# Altium PCB PCB1.PcbDoc
Units mil, origin at the board's own origin, x right, y up, seen from the top; angles counter-clockwise.
Board outline 3145 x 3895 mil, 2 copper layers (Top Layer, Bottom Layer); 81 components, 70 nets, 363 pads, 26 vias.
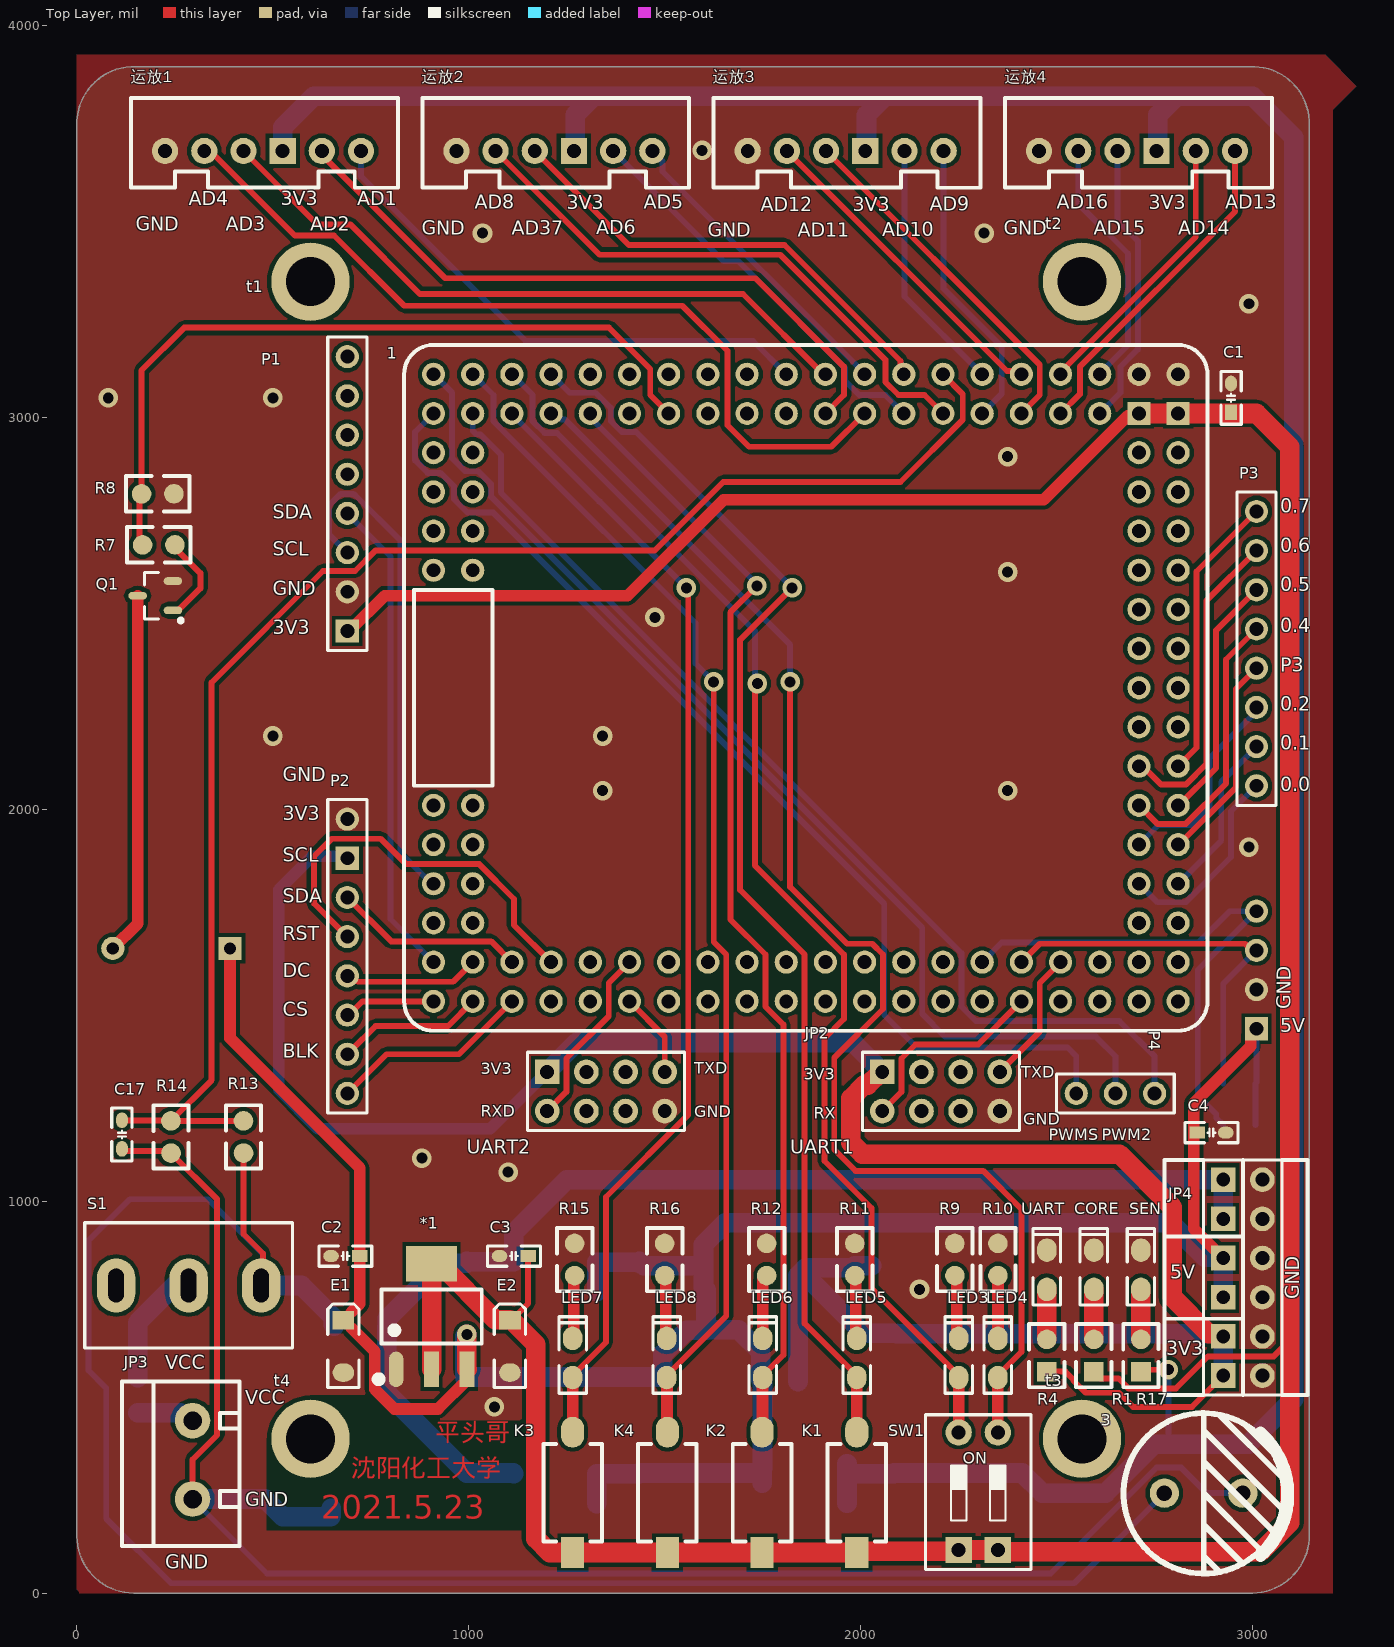
[diagram p0: Top Layer view]
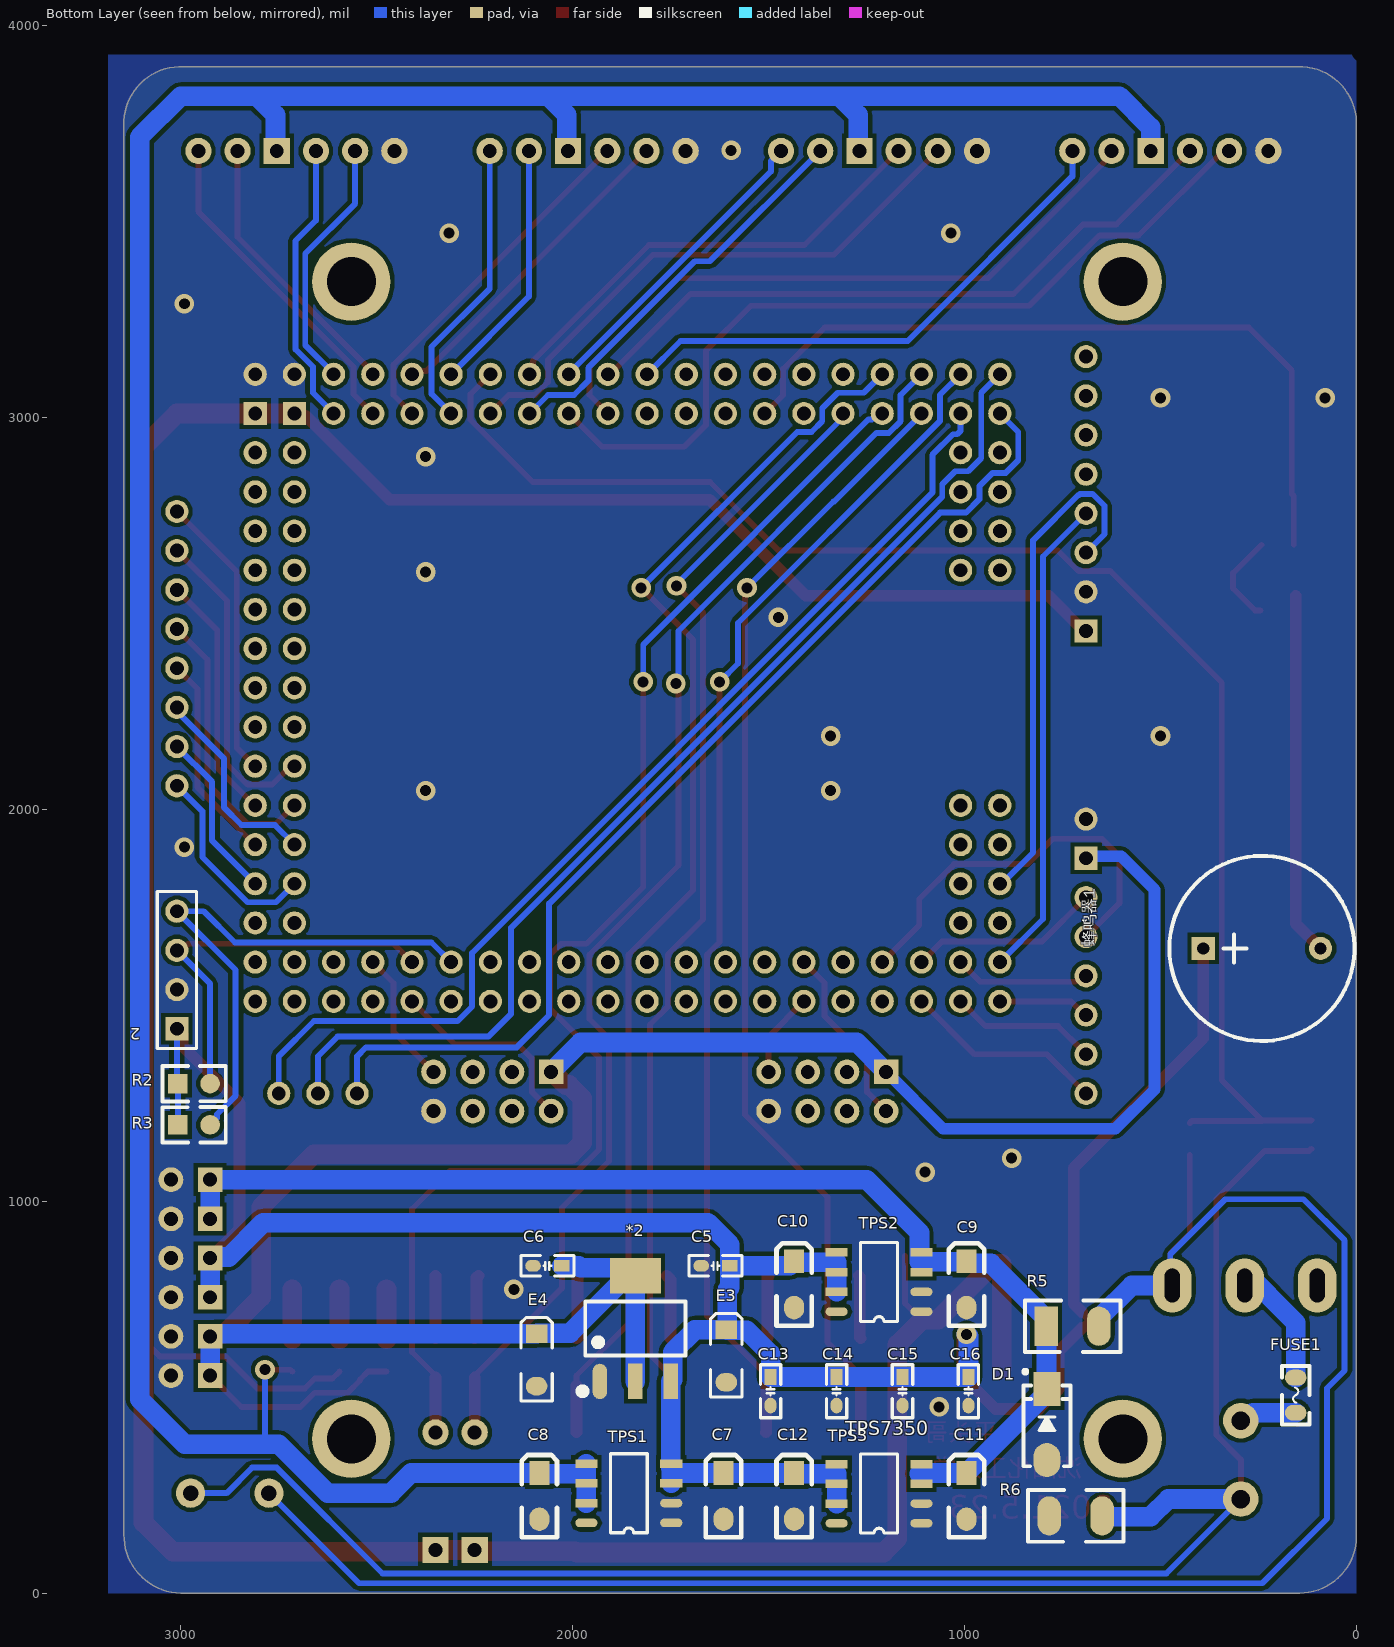
[diagram p1: Bottom Layer view, seen from below]

## Layer stack, top to bottom
Top Solder: solder mask 0.4, Solder Resist, Dk 3.5
Top Layer: signal copper 1.4
Dielectric 1: dielectric 12.6, FR-4, Dk 4.8
Bottom Layer: signal copper 1.4
Bottom Solder: solder mask 0.4, Solder Resist, Dk 3.5

## Board outline
145,0 cw(c145,145) 0,145 0,3755 cw(c145,3750) 150,3895 3005,3895 cw(c3000,3750) 3145,3745 3145,150 cw(c2997.5,147.5) 3000,0

## Design rules (kind name [scope] priority, off if disabled: settings)
Clearance [All] p1: gap=10 ignorepadtopadclearanceinfootprint=FALSE except(0: Arc-Hole Track-Hole SMDPad-Hole THPad-Hole Via-Hole Fill-Hole Poly-Hole Region-Hole Text-Hole)
ComponentClearance [All] p1: gap=0.1 collisioncheckmode=3 verticalgap=0.1 showdistances=TRUE
Height [All] p1: minheight=0 maxheight=99999 prefheight=500
HoleSize [All] p1: absolutevalues=TRUE maxlimit=1000 minlimit=1 maxpercent=80.000 minpercent=20.000
PlaneConnect [All] p1: planeconnectstyle=Direct reliefexpansion=20 reliefentries=4 reliefconductorwidth=10 reliefairgap=10
PolygonConnect [All] p1: connectstyle=Relief reliefconductorwidth=10 reliefentries=4 polygonreliefangle="90 Angle" airgapwidth=10
RoutingVias [All] p1: holewidth=28 width=50 viastyle="Through Hole" minholewidth=28 minwidth=50 maxholewidth=28 maxwidth=50
SilkToSolderMaskClearance [IsPad] p1: minsilkscreentomaskgap=2 clearancetoexposedcopper=TRUE
SolderMaskExpansion [All] p1: expansion=4 istentingtop=FALSE
Width [All] p1: maxlimit=50 minlimit=15 preferedwidth=15 minimp=50.000000 maximp=50.000000 favimp=50.000000
25 further rules are at their usual default settings.

## Components (designator, comment, footprint, x,y, rotation, side; value= is the part's Value field where it differs from the comment)
1 "核心板" TC264_CoreBoard 2810,3110 r270 top
2 "编码器" HDR1X4 3010,1440 r90 bottom
3 "Cap Pol3" "CAP 5.0*10*20 - BK" 2875,255 r0 top value=100pF
*1 "AMS1117" SOT223_M 905,705.72 r0 top
*2 "AMS1117" SOT223_M 1840,675 r180 bottom
C1 "104" "C 0603_M"#1 2945,3050 r270 top
C2 "104" "C 0603_M"#1 685,860 r0 top
C3 "104" "C 0603_M"#1 1115,860 r0 top
C4 "104" "C 0603_M"#1 2895,1175 r180 top
C5 "104" "C 0603_M"#1 1635.5,835 r180 bottom
C6 "104" "C 0603_M"#1 2064.5,835 r180 bottom
C7 "10uf" C3216 1615,247.45 r270 bottom value=10uF
C8 "10uf" C3216 2085,247.45 r270 bottom value=10uF
C9 "10uf" C3216 995,787.45 r270 bottom value=10uF
C10 "10uf" C3216 1435,787.45 r270 bottom value=10uF
C11 "10uf" C3216 995,247.45 r270 bottom value=10uF
C12 "10uf" C3216 1435,247.45 r270 bottom value=10uF
C13 "104" "C 0603_M"#2 1495,515 r270 bottom
C14 "104" "C 0603_M"#2 1326.67,515 r270 bottom
C15 "104" "C 0603_M"#2 1158.33,515 r270 bottom
C16 "104" "C 0603_M"#2 990,515 r270 bottom
C17 "104" "C 0603_M"#3 115,1170 r90 top
CORE "红色" "LED 0805B" 2595,825 r90 top (schematic designator LED1)
D1 "SS34" SMA 790,430 r90 bottom
E1 "10uF/6.3V" "CD A(3216)" 680,629.66 r270 top
E2 "10uF/6.3V" "CD A(3216)" 1105,629.66 r270 top
E3 "10uF/6.3V" "CD A(3216)" 1607.94,605 r270 bottom
E4 "10uF/6.3V" "CD A(3216)" 2092.06,595 r270 bottom
FUSE1 "Fuse 1" "FU 0805" 155,505 r90 bottom
JP1 "Header 4X2" HDR2.54-LI-2x4P 1350,1280 r0 top
JP2 "Header 4X2" HDR2.54-LI-2x4P 2205,1280 r0 top
JP3 "HDR-1X2" KF301-5.0-2P 295,440 r90 top
JP4 "Header 6X2" HDR2.54-LI-2x6P 2975,805 r90 top
K1 "K2" KEY-SMD1 1990,103.48 r90 top
K2 "K2" KEY-SMD1 1748.33,103.48 r90 top
K3 "K2" KEY-SMD1 1265,103.48 r90 top
K4 "K2" KEY-SMD1 1506.67,103.48 r90 top
LED3 "LED4" "LED 0805B" 2250,600 r90 top
LED4 "LED4" "LED 0805B" 2350,600 r90 top
LED5 "LED4" "LED 0805B" 1990,600 r90 top
LED6 "LED4" "LED 0805B" 1750,600 r90 top
LED7 "LED4" "LED 0805B" 1265,600 r90 top
LED8 "LED4" "LED 0805B" 1505,600 r90 top
P1 "MPU 6050" HDR1X8#1 690,3155 r270 top
P2 "TFT" HDR1X8#2 690,1275 r90 top
P3 "备用IO" HDR1X8#3 3010,2760 r270 top
P4 "Header 3" HDR1X3 2550,1275 r0 top
Q1 "SS8050" SOT23-3N 200,2545 r90 top
R1 "1K" R0805#1 2594.9,647.3 r270 top
R2 "10K" R0805#1 2925,1300 r0 bottom
R3 "10K" R0805#2 3007.2,1194.8 r180 bottom
R4 "1K" R0805#1 2474.8,647.3 r270 top
R5 "0" R1210#1 730,675 r180 bottom
R6 "0" R1210#2 722,191 r180 bottom
R7 "Res2" R0805#3 250,2675 r180 top value=1K
R8 "Res2" R0805#3 165,2805 r0 top value=1K
R9 "10K" R0805#3 2240.2,810 r90 top
R10 "10K" R0805#3 2350.2,810 r90 top
R11 "10K" R0805#3 1985,810 r90 top
R12 "10K" R0805#3 1760.2,810 r90 top
R13 "10K" R0805#3 425.2,1122.8 r90 top
R14 "10K" R0805#3 240,1205 r270 top
R15 "10K" R0805#3 1270.2,810 r90 top
R16 "10K" R0805#3 1500,810 r90 top
R17 "1K" R0805#1 2715,647.3 r270 top
S1 "MTS-10x" MTS-10x 285.04,785 r180 top
SEN "红色" "LED 0805B" 2715,825 r90 top (schematic designator LED9)
SW1 "CSW-2P" "CSW DIP-2P_G" 2300,260 r0 top
t1 "M3" "M3 125X200" 596.2,3346.46 r0 top
t2 "M3" "M3 125X200" 2564.7,3346.46 r0 top
t3 "M3" "M3 125X200" 2564.7,393.7 r0 top
t4 "M3" "M3 125X200" 596.2,393.7 r0 top
TPS1 "5V" SO-8N 1748.46,179.21 r0 bottom
TPS2 "5V" SO-8N 1110,718.13 r0 bottom
TPS3 "5V" SO-8N 1110,178.13 r0 bottom
UART "红色" "LED 0805B" 2475,825 r90 top (schematic designator LED2)
蜂鸣器1 "蜂鸣器" "BELL 7.6mm" 390.83,1645 r180 bottom
运放1 "HDR-1X6" XH2.54-LI-6P 475,3680 r180 top
运放2 "HDR-1X6" XH2.54-LI-6P 1218.33,3680 r180 top
运放3 "HDR-1X6" XH2.54-LI-6P 1961.67,3680 r180 top
运放4 "HDR-1X6" XH2.54-LI-6P 2705,3680 r180 top

## Footprints (in the part's own frame and the unit in brackets; to place one, negate y for a bottom-side part, rotate by r counter-clockwise, add the part's x,y. Pads: shape width x height; smd on the part's side, far side on the other; paste and mask are expansions set on the pad)
"BELL 7.6mm" [mm]
  rect 1.5x1.5 hole 0.8: 1(0,0)
  round 1.5 hole 0.8: 2(7.6,0)
  silkscreen extent -2.2,-6 9.8,6, body extent -5.73,-6 9.73,6, height 9.65
C3216 [mil] "A型/1206"
  rect 60x51.18 smd: 1(-59,0)
  oval 60x51.18 smd: 2(59,0)
  silkscreen extent -105,-45 105,45, body extent -63,-31 63,32, height 63
"C 0603_M"#1 [mil] "无极性贴片电容"
  oval 40x30 smd: 1(-36.5,0)
  rect 40x30 smd: 2(36.5,0)
  silkscreen extent -68,-26 68,26, body extent -31,-16 31,16, height 32
"C 0603_M"#2 [mil] "无极性贴片电容"
  rect 40x30 smd: 1(-36.5,0)
  oval 40x30 smd: 2(36.5,0)
  silkscreen extent -68,-26 68,26, body extent -31,-16 31,16, height 32
"C 0603_M"#3 [mil] "无极性贴片电容"
  oval 40x30 smd: 1(-36.5,0) 2(36.5,0)
  silkscreen extent -68,-26 68,26, body extent -31,-16 31,16, height 32
"CAP 5.0*10*20 - BK" [mm] "脚距5mm直径10mm高度20mm"
  round 1.9 hole 1: 1(-2.54,0) 2(2.54,0)
  silkscreen extent -5.18,-5.21 5.51,5.19, body extent -5,-5 5.01,5, height 20.04
"CD A(3216)" [mm] "长3.2mm，宽1.6mm，厚1.6mm"
  rect 1.2x1.4 smd: 1(-1.7,0)
  oval 1.2x1.4 smd: 2(1.7,0)
  silkscreen extent -2.74,-1.02 2.67,1.02, body extent -1.6,-0.8 1.6,0.8, height 1.6
"CSW DIP-2P_G" [mm] "6.6*9.9*7mm"
  rect 1.7x1.7 hole 0.9: 1(-1.27,-3.81) 2(1.27,-3.81)
  round 1.7 hole 0.9: 3(1.27,3.81) 4(-1.27,3.81)
  silkscreen extent -3.43,-5.08 3.43,4.95, body extent -3.32,-4.95 3.32,4.95, height 6.65
"FU 0805" [mil] "贴片保险丝"
  oval 40x55 smd: 1(-45,0) 2(45,0)
  silkscreen extent -75,-35 75,35, body extent -39,-24 39,24, height 20
HDR1X3 [mm] "Connector; Header; 3 Position"
  round 1.5 hole 0.9: 1(0,0) 2(2.54,0) 3(5.08,0)
  silkscreen extent -1.27,-1.27 6.35,1.27
HDR1X4 [mm] "Connector; Header; 4 Position"
  rect 1.5x1.5 hole 0.9: 1(0,0)
  round 1.5 hole 0.9: 2(2.54,0) 3(5.08,0) 4(7.62,0)
  silkscreen extent -1.27,-1.27 8.89,1.27, body extent -1.26,-1.27 8.9,1.27, height 8.54
HDR1X8#1 [mm] "Connector; Header; 8 Position"
  round 1.5 hole 0.9: 1(0,0) 2(2.54,0) 3(5.08,0) 4(7.62,0) 5(10.16,0) 6(12.7,0) 7(15.24,0)
  rect 1.5x1.5 hole 0.9: 8(17.78,0)
  silkscreen extent -1.27,-1.27 19.05,1.27
HDR1X8#2 [mm] "Connector; Header; 8 Position"
  round 1.5 hole 0.9: 1(0,0) 2(2.54,0) 3(5.08,0) 4(7.62,0) 5(10.16,0) 6(12.7,0) 8(17.78,0)
  rect 1.5x1.5 hole 0.9: 7(15.24,0)
  silkscreen extent -1.27,-1.27 19.05,1.27
HDR1X8#3 [mm] "Connector; Header; 8 Position"
  round 1.5 hole 0.9: 1(0,0) 2(2.54,0) 3(5.08,0) 4(7.62,0) 5(10.16,0) 6(12.7,0) 7(15.24,0) 8(17.78,0)
  silkscreen extent -1.27,-1.27 19.05,1.27, body extent -1.27,-1.27 19.05,1.27, height 8.54
HDR2.54-LI-2x4P [mm] "双排排针，4x2脚"
  round 1.6 hole 0.9: 1(-3.81,-1.27) 3(-1.27,-1.27) 4(-1.27,1.27) 5(1.27,-1.27) 6(1.27,1.27) 7(3.81,-1.27) 8(3.81,1.27)
  rect 1.6x1.6 hole 0.9: 2(-3.81,1.27)
  silkscreen extent -5.08,-2.54 5.08,2.54, body extent -5.08,-2.54 5.08,2.54, height 8.5
HDR2.54-LI-2x6P [mm] "双排排针，6x2脚"
  round 1.6 hole 0.9: 1(-6.35,-1.27) 3(-3.81,-1.27) 5(-1.27,-1.27) 7(1.27,-1.27) 9(3.81,-1.27) 11(6.35,-1.27)
  rect 1.6x1.6 hole 0.9: 2(-6.35,1.27) 4(-3.81,1.27) 6(-1.27,1.27) 8(1.27,1.27) 10(3.81,1.27) 12(6.35,1.27)
  silkscreen extent -7.62,-2.54 7.62,2.54, body extent -7.62,-2.54 7.62,2.54, height 8.5
KEY-SMD1 [mm]
  rect 2x1.5 smd: 1(0,0)
  oval 2x1.5 smd: 2(7.8,0)
  silkscreen extent 0.73,-1.9 7.03,1.9, body extent -0.06,-1.94 7.83,1.91, height 2.5
KF301-5.0-2P [mm] "可拼接端子/6A"
  round 2.3 hole 1.2: 1(-5.08,0) 2(0,0)
  silkscreen extent -8.13,-3.05 2.54,4.57, body extent -7.95,-3 2.55,4.6, height 10.05
"LED 0805B" [mil] "蓝色0805LED"
  oval 60x50 smd: 1(-50,0) 2(50,0)
  silkscreen extent -90,-35 105,35, body extent -39,-25 39,25, height 32
"M3 125X200" [mil] "M3螺丝孔，孔125Mil，焊盘200Mil"
  round 200 hole 125: 1(0,0)
MTS-10x [mm] "MTS10系列3脚扭子开关"
  oval 2.5x3.5 hole 1 slot 2.2 at 90 deg: 1(-4.7,0) 2(0,0) 3(4.7,0)
  silkscreen extent -6.73,-4.06 6.73,4.06, body extent -6.6,-3.95 6.6,3.95, height 30.47
R0805#1 [mil] "1/8W"
  round 50 smd: 1(0,0)
  rect 50x50 smd: 2(82.3,0.2)
  silkscreen extent -40,-45 122,45, body extent 1,-24 80,25, height 22
R0805#2 [mil] "1/8W"
  rect 50x50 smd: 1(0,0)
  round 50 smd: 2(82.3,0.2)
  silkscreen extent -40,-45 122,45, body extent 1,-24 80,25, height 22
R0805#3 [mil] "1/8W"
  round 50 smd: 1(0,0) 2(82.3,0.2)
  silkscreen extent -40,-45 122,45, body extent 1,-24 80,25, height 22
R1210#1 [mil] "1/3W"
  rect 60x100 smd: 1(-62,6)
  oval 60x100 smd: 2(73,6)
  silkscreen extent -116,-60 128,72, body extent -73,-44 85,54, height 67
R1210#2 [mil] "1/3W"
  oval 60x100 smd: 1(-62,6) 2(73,6)
  silkscreen extent -116,-60 128,72, body extent -73,-44 85,54, height 67
SMA [mm] "4.5x2.6*2.2mm（长宽高，不包括引脚）"
  oval 2.2x1.75 smd: 1(-2.3,0)
  rect 2.2x1.75 smd: 2(2.3,0)
  silkscreen extent -2.7,-1.52 3.56,1.52, body extent -2.52,-1.3 2.57,1.3, height 2.15
SO-8N [mm]
  oval 1.44x0.55 smd: 1(0,0) 2(0,-1.28) 8(5.5,0)
  rect 1.44x0.55 smd: 3(0,-2.56) 4(0,-3.84) 5(5.5,-3.84) 6(5.5,-2.56) 7(5.5,-1.28)
  silkscreen extent 1.56,-4.48 3.95,0.64
SOT23-3N [mm] "3x1.3x1mm(长宽高)"
  oval 0.5x1.2 smd: 1(-0.95,-1.143) 2(0.95,-1.143) 3(0,1.143)
  silkscreen extent -1.72,-1.78 1.5,0.7, body extent -1.5,-1.2 1.5,1.2, height 1.05
SOT223_M [mm] "6.4x7x1.6mm(长宽高)"
  oval 0.95x2.3 smd: 1(-2.3,-3.429)
  rect 0.95x2.3 smd: 2(0,-3.429) 3(2.3,-3.429)
  rect 3.3x2.3 smd: 2(0,3.429)
  silkscreen extent -3.63,-4.26 3.25,1.75, body extent -3.25,-3.51 3.25,3.51, height 1.65
TC264_CoreBoard [mm] "逐飞科技TC264核心板"
  round 1.5 hole 0.9: 1(0,0) 3(0,-2.54) 5(0,-5.08) 6(2.54,-5.08) 7(0,-7.62) 8(2.54,-7.62) 9(0,-10.16) 10(2.54,-10.16) 11(0,-12.7) 12(2.54,-12.7) 13(0,-15.24) 14(2.54,-15.24) 15(0,-17.78) 16(2.54,-17.78) 17(0,-20.32) 18(2.54,-20.32) 19(0,-22.86) 20(2.54,-22.86) 21(0,-25.4) 22(2.54,-25.4) 23(0,-27.94) 24(2.54,-27.94) 25(0,-30.48) 26(2.54,-30.48) 27(0,-33.02) 28(2.54,-33.02) 29(0,-35.56) 30(2.54,-35.56) 31(0,-38.1) 32(2.54,-38.1) 33(0,-40.64) 34(2.54,-40.64) 35(0,-43.18) 36(2.54,-43.18) 37(0,-45.72) 38(2.54,-45.72) 39(0,-48.26) 40(2.54,-48.26) 41(5.08,-48.26) 42(5.08,-45.72) 43(7.62,-48.26) 44(7.62,-45.72) 45(10.16,-48.26) 46(10.16,-45.72) 47(12.7,-48.26) 48(12.7,-45.72) 49(27.94,-45.72) 50(27.94,-48.26) 51(30.48,-45.72) 52(30.48,-48.26) 53(33.02,-45.72) 54(33.02,-48.26) 55(35.56,-45.72) 56(35.56,-48.26) 57(38.1,-48.26) 58(40.64,-48.26) 59(38.1,-45.72) 60(40.64,-45.72) 61(38.1,-43.18) 62(40.64,-43.18) 63(38.1,-40.64) 64(40.64,-40.64) 65(38.1,-38.1) 66(40.64,-38.1) 67(38.1,-35.56) 68(40.64,-35.56) 69(38.1,-33.02) 70(40.64,-33.02) 71(38.1,-30.48) 72(40.64,-30.48) 73(38.1,-27.94) 74(40.64,-27.94) 75(38.1,-25.4) 76(40.64,-25.4) 77(38.1,-22.86) 78(40.64,-22.86) 79(38.1,-20.32) 80(40.64,-20.32) 81(38.1,-17.78) 82(40.64,-17.78) 83(38.1,-15.24) 84(40.64,-15.24) 85(38.1,-12.7) 86(40.64,-12.7) 87(38.1,-10.16) 88(40.64,-10.16) 89(38.1,-7.62) 90(40.64,-7.62) 91(38.1,-5.08) 92(40.64,-5.08) 93(38.1,-2.54) 94(40.64,-2.54) 95(38.1,0) 96(40.64,0) 97(35.56,-2.54) 98(35.56,0) 99(33.02,-2.54) 100(33.02,0) 101(30.48,-2.54) 102(30.48,0) 103(27.94,-2.54) 104(27.94,0) 105(25.4,-2.54) 106(25.4,0) 107(22.86,-2.54) 108(22.86,0) 109(20.32,-2.54) 110(20.32,0) 111(17.78,-2.54) 112(17.78,0) 113(15.24,-2.54) 114(15.24,0) 115(12.7,-2.54) 116(12.7,0) 117(10.16,-2.54) 118(10.16,0) 119(7.62,-2.54) 120(7.62,0) 121(5.08,-2.54) 122(5.08,0)
  rect 1.5x1.5 hole 0.9: 2(2.54,0) 4(2.54,-2.54)
  silkscreen extent -1.91,-50.16 42.55,1.91
XH2.54-LI-6P [mm] "接插件，6P"
  round 1.7 hole 0.9: 1(-6.35,0) 2(-3.81,0) 4(1.27,0) 5(3.81,0) 6(6.35,0)
  rect 1.7x1.7 hole 0.9: 3(-1.27,0)
  silkscreen extent -8.74,-3.43 8.56,2.39, body extent -8.85,-3.3 8.85,2.4, height 7.03

## Part data
1: library part Component_1
2: library part 光电码盘
3: "Polarized Capacitor (Surface Mount)", LatestRevisionDate=29-May-2009, LatestRevisionNote="IPC-7351 Footprint Added.", PackageDescription="Chip Capacitor", PackageReference=C0805, Published=8-Jun-2000, Publisher="Altium Limited"
C1 C2 C3 C4 C5 C6 C13 C14 C15 C16 C17: library part C, "无极性贴片电容", BOM名称=无极性贴片电容, 学习资源=www.ooocke.com, 版权归属=源创客
C7 C8 C9 C10 C11 C12: library part "Cap Pol1", "Polarized Capacitor (Radial)", LatestRevisionDate=17-Jul-2002, LatestRevisionNote="Re-released for DXP Platform.", PackageDescription="Polarized Capacitor (Radial); 2 Leads", PackageReference=RB7.6-15, Published=8-Jun-2000, Publisher="Altium Limited"
CORE SEN UART: library part LED-SMD, "贴片LED", BOM名称=贴片LED, 学习资源=www.ooocke.com, 版权归属=源创客
D1: library part "Diode 1N4148", "High Conductance Fast Diode", Code_JEDEC=DO-204-AH, ComponentLink1Description="Manufacturer Link", ComponentLink1URL=http://www.fairchildsemi.com/, ComponentLink2Description=Datasheet, ComponentLink2URL=http://www.fairchildsemi.com/ds/1N%2F1N4148.pdf, DatasheetVersion=1997, LatestRevisionDate=17-Jul-2002, LatestRevisionNote="Re-released for DXP Platform.", PackageReference=DO-35, Published=8-Jun-2000, Publisher="Altium Limited"
E1 E2 E3 E4: library part C-CD, "贴片钽电容", BOM名称=贴片钽电容, 学习资源=www.ooocke.com, 版权归属=源创客
FUSE1: "Fuse", LatestRevisionDate=17-Jul-2002, LatestRevisionNote="Re-released for DXP Platform.", PackageDescription="Thru-Hole; 2 Leads", PackageReference=PIN-W2/E2.8, Published=8-Jun-2000, Publisher="Altium Limited"
JP1 JP2: "4*2P接插件", BOM名称=4*2P接插件, 学习资源=www.ooocke.com, 版权归属=源创客
JP3: library part "Header 2", "2P接插件", BOM名称=2P接插件, 学习资源=www.ooocke.com, 版权归属=源创客
JP4: library part "Header  6X2", "6*2P接插件", BOM名称=6*2P接插件, 学习资源=www.ooocke.com, 版权归属=源创客
K1 K2 K3 K4: library part KEY_1, "按键"
LED3 LED4 LED5 LED6 LED7 LED8: library part LED2, "Typical RED, GREEN, YELLOW, AMBER GaAs LED", LatestRevisionDate=17-Jul-2002, LatestRevisionNote="Re-released for DXP Platform.", PackageReference=3.2X1.6X1.1, PackageVersion=Feb-2002, Published=8-Jun-2000, Publisher="Altium Limited"
P1 P2: library part "Header 8", "Header, 8-Pin", LatestRevisionDate=17-Jul-2002, LatestRevisionNote="Re-released for DXP Platform.", Publisher="Altium Limited"
P4: "Header, 3-Pin", LatestRevisionDate=17-Jul-2002, LatestRevisionNote="Re-released for DXP Platform.", Publisher="Altium Limited"
Q1: library part 8050-SMD, "高频放大-NPN型", BOM名称=高频放大-NPN型, 学习资源=www.ooocke.com, 属性="40V 1.5A 1W 100MHZ", 版权归属=源创客
R1 R4 R17: library part R, "贴片电阻", BOM名称=贴片电阻, 学习资源=www.ooocke.com, 版权归属=源创客
R2 R3 R5 R6: library part RES_MD
R7 R8: "Resistor", LatestRevisionDate=17-Jul-2002, LatestRevisionNote="Re-released for DXP Platform.", PackageDescription="Axial Device, Thru-Hole; 2 Leads; 0.4 in Pin Spacing", PackageReference=AXIAL-0.4, Published=8-Jun-2000, Publisher="Altium Limited"
R9 R10 R11 R12 R13 R14 R15 R16: library part 电阻, "Resistor", LatestRevisionDate=17-Jul-2002, LatestRevisionNote="Re-released for DXP Platform.", PackageDescription="Axial Device, Thru-Hole; 2 Leads; 0.4 in Pin Spacing", PackageReference=AXIAL-0.4, Published=8-Jun-2000, Publisher="Altium Limited"
S1: "MTS10x系列3脚扭子开关", BOM名称=MTS10x系列3脚扭子开关, 学习资源=www.ooocke.com, 版权归属=源创客
SW1: "2路编码开关", BOM名称=2路编码开关, 学习资源=www.ooocke.com, 版权归属=源创客
t1 t2 t3 t4: "铜柱孔", BOM名称=铜柱孔, 学习资源=www.ooocke.com, 版权归属=源创客
TPS1 TPS2 TPS3: library part TPS7350
运放1 运放2 运放3 运放4: library part "Header 6", "6P接插件", 封装库来自淘宝卖家 ID：黄晶宝石=其他店铺购入均为盗版，不享受售后技术支持服务，请立即申请退款

## Via types
v1: diameter 50, hole 28, Top Layer to Bottom Layer, 26 vias

## Nets (pads, with @x,y where several pads share a name; then routed paths per layer and width w, separated by ;. In a path a pad name is that pad's centre, name@x,y a point inside that pad or via, vN(x,y) a via of type N, cw(c..) or ccw(c..) an arc to the next point about the centre after c; other vN are vias at no path point)
5V: 2.1 *1.3 *2.3 C2.2 C4.2 C5.2 C7.1 C10.1 C12.1 C13.1 C14.1 C15.1 C16.1 E1.1 E3.1 JP4.6 JP4.8 R2.2 R3.1 TPS1.3 TPS1.4 TPS2.5 TPS2.6 TPS2.7 TPS3.5 TPS3.6 TPS3.7 蜂鸣器1.1 | length 6529.9
  Top Layer w15: E1.1 E1.1@683.94,696.59 ; E1.1@700.06,676.53 700.06,680.47 E1.1@683.94,696.59 ; E1.1@700.06,716.65 700.06,712.71 E1.1@683.94,696.59 ; *1.3@995.55,544.15 *1.3
  Top Layer w30: 蜂鸣器1.1 390.83,1415.63 721.5,1084.95 C2.2 721.5,738.09 E1.1@700.06,716.65 ; E1.1@700.06,676.53 760,616.59 760,520 810,470 921.4,470 *1.3@995.55,544.15 ; JP4.8 2850,930 2850,1250 2995.47,1395.47 2995.47,1425.47 2.1
  Top Layer w50: v1(995,660) 995,571.28 *1.3
  Bottom Layer w15: R3.1 3007.3,1194.9 R2.2 3010,1302.5 2.1
  Bottom Layer w50: v1(995,660) 990,655 C16.1 C15.1 C14.1 C13.1 1495,610 1555.55,670.55 1606.56,670.55 E3.1 ; TPS3.7 TPS3.6 1326.54,304.12 1434.41,304.12 1435,304.71 C12.1 C7.1 1737.67,306.45 1748.47,317.25 ; TPS2.7 TPS2.6 1326.54,844.12 1434.41,844.12 1435,844.71 C10.1 ; C10.1@1435,842.04 1435.59,841.45 1440,841.45 1446.45,835 C5.2 ; *2.3@1747.05,542.4 1745,544.45 1745,615 1688.07,671.93 E3.1 ; TPS1.3 1748.47,317.25 ; TPS1.4 1748.47,317.25 ; *2.3 1749.45,318.23 1748.47,317.25 ; JP4.6 JP4.8 2922.51,857.49 2877.51,857.49 2790,945 1655,945 1599,889 C5.2 ; C5.2 1599,779.68 1605.38,773.31 1605.38,673.31 1606.76,671.93 E3.1
AD1: 1.21 运放1.1 | length 1359.2
  Bottom Layer w15: 运放1.1 725,3615 1145,3195 1725,3195 1.21
AD2: 1.20 运放1.2 | length 1704.9
  Top Layer w15: 运放1.2 625,3670 940,3355 1731.51,3355 1957.03,3129.48 1957.03,3057.03 1.20
AD3: 1.19 运放1.4 | length 1721.1
  Top Layer w15: 运放1.4 612.47,3492.53 697.47,3492.53 875,3315 1699.64,3315 1904.64,3110 1.19
AD4: 1.18 运放1.5 | length 2144.2
  Top Layer w15: 运放1.5 333.79,3680 340,3680 556.04,3463.96 656.04,3463.96 835,3285 1545,3285 1660,3170 1660,2980 1715,2925 1925,2925 1.18
AD5: 1.17 运放2.1 | length 794.4
  Bottom Layer w15: 运放2.1 1494.3,3654.04 1494.3,3627.56 2010,3111.86 1.17
AD6: 1.16 运放2.2 | length 1038.5
  Bottom Layer w15: 运放2.2 1649.99,3398.34 1688.17,3398.34 1960,3126.51 1960,3093.49 1996.47,3057.03 2062.97,3057.03 1.16
AD7: 1.15 运放2.4 | length 1192.6
  Top Layer w15: 运放2.4 1408.3,3440.03 1805.32,3440.03 2101.57,3143.78 2101.57,3118.43 1.15
AD8: 1.14 运放2.5 | length 1452.3
  Top Layer w15: 运放2.5 1333.3,3415.03 1794.97,3415.03 2062.97,3147.03 2062.97,3090.52 2096.47,3057.03 2162.97,3057.03 1.14
AD9: 1.12 运放3.1 | length 752.2
  Bottom Layer w15: 运放3.1 2211.67,3328.33 2360,3180 2360,3060 1.12
AD10: 1.11 运放3.2 | length 652.2
  Bottom Layer w15: 运放3.2 2111.67,3308.33 1.11
AD11: 1.10 运放3.4 | length 915.4
  Top Layer w15: 运放3.4 2457.03,3134.64 2457.03,3057.03 1.10
AD12: 1.9 运放3.5 | length 834.4
  Top Layer w15: 运放3.5 2373.24,3118.43 2401.57,3118.43 1.9
AD13: 1.8 运放4.1 | length 854.3
  Top Layer w15: 1.8 2559.21,3059.21 2559.21,3129.21 2955,3525 运放4.1
AD14: 1.7 运放4.2 | length 712.9
  Top Layer w15: 1.7 2510,3115.36 2855,3460.36 运放4.2
AD15: 1.6 运放4.4 | length 731.9
  Bottom Layer w15: 1.6 2662.82,3062.82 2662.82,3129.32 2707.2,3173.71 2707.2,3450.59 2655,3502.79 运放4.4
AD16: 1.5 运放4.5 | length 652.6
  Bottom Layer w15: 运放4.5 2555,3545.47 2682.2,3418.26 2682.2,3184.07 2610,3111.86 1.5
BEEP: 1.28 R7.2 R8.1 | length 1966.9
  Top Layer w15: R7.2@160,2675 160,2800 R8.1 165,3120 273.96,3228.96 1357.55,3228.96 1462.97,3123.53 1462.97,3057.03 1.28
CORE_3.3V: 1.2 1.4 *1.2 C1.2 C3.2 E2.1 K1.1 K2.1 K3.1 K4.1 P1.8 R1.2 SW1.1 SW1.2 | length 9255.9
  Top Layer w15: E2.1@1108.94,696.59 1151.5,739.15 C3.2 ; R1.2 2612.6,547.5 2657.95,547.5 2682.95,522.5 2804.76,522.5 2886.26,604 3054,604 3095,645
  Top Layer w30: P1.8 695.4,2455 785.4,2545 1405,2545 1650,2790 2467.11,2790 2681.55,3004.44 2704.44,3004.44 1.4 ; E2.1 E2.1@1108.94,696.59 ; K1.1 K1.1@1993.26,106.74 ; SW1.1@2246.74,106.74 SW1.1
  Top Layer w50: *1.2@905,570.72 905,840.72 924.69,840.72 1067.44,697.97 1103.62,697.97 E2.1 ; E2.1@1108.94,696.59 1171.28,634.25 1171.28,138.72 1206.52,103.48 K3.1 K4.1 K2.1 K1.1 ; K1.1@1993.26,106.74 SW1.1@2246.74,106.74 ; SW1.1 2354.58,110 2357.82,106.76 2365.21,106.76 2366.97,105 3020,105 3095,180 3095,645 3095,2925 3010,3010 1.2 1.4
GND: 1.1 1.3 2.2 *1.1 *2.1 C1.1 C2.1 C3.1 C4.1 C5.1 C6.1 C7.2 C8.2 C9.2 C10.2 C11.2 C12.2 C13.2 C14.2 C15.2 C16.2 CORE.2 D1.1 E1.2 E2.2 E3.2 E4.2 JP1.7 JP2.7 JP4.1 JP4.3 JP4.5 JP4.7 JP4.9 JP4.11 P1.7 P2.8 Q1.2 R6.1 R8.2 R9.2 R10.2 R11.2 R12.2 R15.2 R16.2 SEN.2 TPS1.1 TPS1.2 TPS2.1 TPS2.2 TPS3.1 TPS3.2 UART.2 运放1.6 运放2.6 运放3.6 运放4.6
  other v1: 1065,475 2150,775 1100.47,1073.92 880,1110 2990.62,1903.24 1341.6,2047.85 2375,2047.85 499.99,2187.17 1341.6,2187.17 1475,2490 2375,2605.56 2375,2900 80,3050 499.99,3050 2990.62,3290 1035,3470 2315,3470 1595.64,3681.62
IO1: 1.106 P3.1 | length 732.8
  Top Layer w15: 1.106 2857.03,2157.03 2857.03,2607.03 P3.1
IO2: 1.105 P3.2 | length 810.8
  Top Layer w15: 1.105 2720,2110 2767.03,2062.97 2829.48,2062.97 2882.03,2115.52 2882.03,2532.03 P3.2
IO3: 1.104 P3.3 | length 633.9
  Top Layer w15: 1.104 2811.86,2010 2907.03,2105.17 2907.03,2457.03 P3.3
IO4: 1.103 P3.4 | length 710.8
  Top Layer w15: 1.103 2757.03,1962.97 2829.48,1962.97 2932.03,2065.52 2932.03,2382.03 P3.4
IO5: 1.102 P3.5 | length 533.9
  Top Layer w15: 1.102 2811.86,1910 2957.03,2055.17 2957.03,2307.03 P3.5
IO6: 1.101 P3.6 | length 524.1
  Bottom Layer w15: 1.101 2760,1960 2845,1960 2890,2005 2890,2130 3010,2250 P3.6
IO7: 1.100 P3.7 | length 432.8
  Bottom Layer w15: 1.100 2920,1920 2920,2070 P3.7
IO8: 1.99 P3.8 | length 510.8
  Bottom Layer w15: 1.99 2757.03,1762.97 2829.48,1762.97 2945,1878.49 2945,1995 P3.8
"MPU SCL": 1.54 P1.6 | length 1297.4
  Bottom Layer w15: P1.6 642.97,2702.03 642.97,2774.48 673.49,2805 705,2805 707.97,2802.03 709.48,2802.03 825,2686.51 825,1890 905,1810 1.54
"MPU SDA": 1.57 P1.5 | length 1236.1
  Bottom Layer w15: P1.5 800,2645 800,1720 1.57
NetFUSE1_1: FUSE1.1 JP3.2 | length 148.3
  Bottom Layer w50: FUSE1.1 264.03,460 284.03,440 JP3.2
NetFUSE1_2: FUSE1.2 S1.2 | length 331.2
  Bottom Layer w50: FUSE1.2 155,690.31 S1.2@290,825.31
NetLED1_1: CORE.1 R1.1 | length 127.6
  Top Layer w50: R1.1@2595,647.4 CORE.1
NetLED2_1: R4.1 UART.1 | length 127.5
  Top Layer w50: R4.1@2475,647.5 UART.1
NetLED3_2: LED3.2 R9.1 | length 164.1
  Top Layer w30: R9.1 2245.1,805.1 2245.1,654.9 LED3.2
NetLED4_2: LED4.2 R10.1 | length 160.1
  Top Layer w30: LED4.2 2350.1,650.1 2350.1,809.9 R10.1
NetLED5_2: LED5.2 R11.1 | length 162.1
  Top Layer w30: R11.1 1987.5,807.5 1987.5,652.5 LED5.2
NetLED6_2: LED6.2 R12.1 | length 164.2
  Top Layer w30: LED6.2 1750,799.8 R12.1
NetLED7_2: LED7.2 R15.1 | length 162.2
  Top Layer w30: LED7.2 1267.6,652.6 1267.6,807.4 R15.1
NetLED8_2: LED8.2 R16.1 | length 162.1
  Top Layer w30: R16.1 1502.5,807.5 1502.5,652.5 LED8.2
NetLED9_1: R17.1 SEN.1 | length 127.7
  Top Layer w50: R17.1 SEN.1
NetQ1_1: Q1.1 R7.1 | length 234.8
  Top Layer w15: R7.1@242.3,2675.2 315,2602.5 315,2563.82 258.78,2507.6 Q1.1
NetQ1_3: Q1.3 蜂鸣器1.2 | length 926.3
  Top Layer w30: 蜂鸣器1.2 155,1708.38 Q1.3
"PWM1 IN": 1.38 P4.3 | length 2676.7
  Bottom Layer w15: 1.38 1010,2965.81 1018.79,2957.03 1029.48,2957.03 1082.03,2904.48 1082.03,2807.97 2257.03,1632.97 2257.03,1496.47 2293.49,1460 2660,1460 2750,1370 P4.3
"PWM2 IN": 1.39 P4.2 | length 2800.6
  Bottom Layer w15: 1.39 957.45,3062.55 957.45,2896.05 990.73,2862.76 1023.74,2862.76 1057.03,2829.48 1057.03,2797.62 2157.03,1697.62 2157.03,1477.97 2215,1420 2600,1420 2650,1370 P4.2
"PWMS IN": 1.40 P4.1 | length 2736.7
  Bottom Layer w15: 1.40 862.97,2962.97 862.97,2890.52 894.98,2858.51 927.99,2858.51 962.23,2824.28 962.23,2791.26 996.47,2757.03 1062.26,2757.03 2060,1759.29 2060,1475 2142.5,1392.5 2527.5,1392.5 2550,1370 P4.1
QDA1: 1.87 2.3 R2.1 | length 1001.7
  Top Layer w15: 1.87 2457.03,1657.03 2981.05,1657.03 2998.08,1640 2.3
  Bottom Layer w15: R2.1 2925,1555 2.3
QDB2: 1.85 2.4 R3.2 | length 1387.9
  Bottom Layer w15: 1.85 2360,1660 2861.54,1660 2941.54,1740 2.4 2860,1590 2860,1269.32 2907.4,1221.92 2907.4,1212.5 R3.2
RXD1: 1.89 JP2.8 | length 344.2
  Top Layer w15: JP2.8 2457.03,1432.03 2457.03,1557.03 1.89
RXD2: 1.68 JP1.8 | length 222.3
  Top Layer w15: 1.68@1405,1510 1.68 1500,1420 JP1.8
sensor_3.3V: C8.1 R17.2 TPS1.5 TPS1.6 TPS1.7 运放1.3 运放2.3 运放3.3 运放4.3 | length 8037
  Top Layer w15: R17.2 2720.2,570 v1(2785,570)
  Bottom Layer w15: 2785,380 v1(2785,570)
  Bottom Layer w50: 运放1.3 525,3740 605,3820 1320,3820 ; 运放2.3 1271.57,3683.24 1271.57,3771.57 1320,3820 ; TPS1.7 TPS1.6 1965,304.12 ; TPS1.5 1965,304.12 ; 运放3.3@2014.91,3683.24 2014.91,3771.57 2063.33,3820 ; 运放4.3@2758.24,3683.24 2758.24,3771.57 2806.67,3820 ; 1320,3820 2063.33,3820 ; 1965,304.12 2084.41,304.12 2085,304.71 C8.1 2412.07,306.45 2463.52,255 2625,255 2750,380 2785,380 2990,380 3105,495 3105,3715 3000,3820 2806.67,3820 ; 2063.33,3820 2806.67,3820
switch1: 1.32 K2.2 LED6.1 | length 2882
  Top Layer w15: v1(1735,2570) 1667.5,2502.5 1667.5,1719.01 1757.03,1629.48 1757.03,1496.47 1802.7,1450.79 1802.7,607.7 1749.17,554.17 LED6.1@1749.17,549.17
  Top Layer w30: K2.2 1749.17,411.4 LED6.1@1749.17,549.17
  Bottom Layer w15: 1.32 1310,3000 1735,2575 v1(1735,2570)
switch2: 1.33 K1.2 LED5.1 | length 3192.6
  Top Layer w15: v1(1825,2565) 1692.5,2432.5 1692.5,1794.01 1857.03,1629.48 1857.03,687.97 1990,555 LED5.1 LED5.1@1990,530
  Top Layer w30: K1.2 LED5.1@1990,530
  Bottom Layer w15: 1.33 1257.03,3062.97 1323.53,3062.97 1362.97,3023.53 1362.97,2990.52 1390.52,2962.97 1427.03,2962.97 v1(1825,2565)
switch3: 1.34 LED4.1 SW1.3 | length 3465.5
  Top Layer w15: v1(1820,2325) 1820,1801.86 1964.83,1657.03 2029.48,1657.03 2057.03,1629.48 2057.03,1490.52 1932.5,1365.99 1932.5,1131.69 1986.69,1077.5 2312.5,1077.5 2410,980 2410,615 2350,555 LED4.1
  Top Layer w30: SW1.3 LED4.1
  Bottom Layer w15: 1.34 1221.92,3010 1236.92,2995 1244.9,2995 1820,2419.9 v1(1820,2325)
switch4: 1.35 LED3.1 SW1.4 | length 3237.1
  Top Layer w15: v1(1736.51,2321.05) 1730,2314.54 1730,1856.51 1957.03,1629.48 1957.03,1464.83 1907.5,1415.31 1907.5,1102.55 2027.5,982.55 2027.5,777.5 2250,555 LED3.1
  Top Layer w30: SW1.4 LED3.1
  Bottom Layer w15: 1.35 1162.97,3057.03 1162.97,2990.52 1193.49,2960 1225.1,2960 1730,2455.1 1730,2327.55 v1(1736.51,2321.05)
switch5: 1.36 K3.2 LED7.1 | length 2909.1
  Top Layer w15: LED7.1 1265,555 1350,640 1350,1010.71 1560,1220.71 1560,2560 v1(1555,2565)
  Top Layer w30: K3.2 LED7.1
  Bottom Layer w15: 1.36 1110,3008.14 1332.58,2785.56 1334.44,2785.56 v1(1555,2565)
switch6: 1.37 K4.2 LED8.1 | length 3031.1
  Top Layer w15: LED8.1 1505,555 1657.03,707.03 1657.03,1629.48 1625,1661.51 v1(1625,2325.1)
  Top Layer w30: LED8.1 1505.83,549.17 1505.83,411.4 K4.2
  Bottom Layer w15: 1.37 1062.97,3057.03 1062.97,2990.52 1115.52,2937.97 1578.3,2475.19 1578.3,2371.8 v1(1625,2325.1)
"TFT BLK": 1.62 P2.1 | length 517.3
  Top Layer w15: P2.1 790,1375 975,1375 1.62
"TFT CS": 1.60 P2.2 | length 361.8
  Top Layer w15: P2.2@700,1385 761.76,1446.76 946.76,1446.76 1.60
"TFT DC": 1.58 P2.3 | length 234.5
  Top Layer w15: P2.3 693.58,1475 728.58,1510 1.58
"TFT RST": 1.59 P2.4 | length 346.9
  Top Layer w15: P2.4 701.92,1575 716.92,1560 960,1560 1.59
"TFT SCL": 1.61 P2.6 | length 488.3
  Top Layer w15: P2.6 802.03,1662.97 1057.03,1662.97 1.61
"TFT SDA": 1.63 P2.5 | length 1033.3
  Top Layer w15: P2.5 605,1760 605,1880 650,1925 775,1925 840,1860 1026.51,1860 1115.52,1770.98 1115.52,1704.48 1.63
TXD1: 1.88 JP2.1 | length 522.6
  Top Layer w15: JP2.1 2104,1279 2104,1364 2140,1400 2300,1400 1.88 1.88@2410,1508.14
TXD2: 1.67 JP1.1 | length 467
  Top Layer w15: JP1.1 1249,1279 1249,1364 1357.03,1472.03 1357.03,1557.03 1.67
UART_3.3V: *2.2 C6.2 E4.1 JP1.2 JP2.2 JP4.2 JP4.4 P2.7 R4.2 | length 6169.2
  Top Layer w15: R4.2 2522.5,565 2542.68,544.82 2542.68,542.68 2574.15,511.2 2658.9,511.2 2695.1,475 2845,475 JP4.2
  Top Layer w50: JP2.2@2049,1330 2049,1327.51 2017.98,1296.5 2009.01,1296.5 1975,1262.49 1975,1149.29 2004.29,1120 2660,1120 2795,985 2795,755 2888.5,661.5 2918.5,661.5 JP4.4
  Bottom Layer w30: P2.7@690,1880.2 600.2,1880.2 515,1795 515,1285 615,1185 1055,1185 JP1.2
  Bottom Layer w50: JP1.2 1275,1405 1980,1405 JP2.2 ; *2.2@1840,540 *2.2@1840,810 ; C6.2 1984.69,835 1979.96,830.28 1860.28,830.28 *2.2@1840,810 ; JP4.2 JP4.4 2921.48,655 2914.56,661.93 E4.1 2090.69,663.31 2006.38,663.31 1859.69,810 *2.2@1840,810
Vbat+: 3.1 R5.2 R13.1 S1.1 | length 4693.7
  Top Layer w15: R13.1@425.2,1117.7 425.2,916.26 475.04,866.42 S1.1@475.04,845
  Bottom Layer w15: S1.1@475.04,845 475.04,864.69 334.73,1005 135,1005 30,900 30,567.78 75,522.78 75,190 240,25 2545,25 3.1
  Bottom Layer w50: S1.1 573,785 653.73,704.27 653.73,684.27 R5.2
Vbat-: 3.2 C17.1 JP3.1 R6.2 R14.2 | length 4378
  Top Layer w15: C17.1 120.4,1128.1 234.8,1128.1 R14.2 357.78,1005.12 357.78,403.28 295,340.5 JP3.1
  Bottom Layer w15: JP3.1 485,50 2485,50 2755,320 2817.99,320 2882.99,255 3.2 ; R6.2@647,195 R6.2
  Bottom Layer w50: JP3.1 480,240 525,195 R6.2@647,195 ; R6.2 R6.2@649,217
VCC: C9.1 C11.1 D1.2 JP4.10 JP4.12 R5.1 TPS2.3 TPS2.4 TPS3.3 TPS3.4 | length 3030.3
  Bottom Layer w50: C9.1 C9.1@995,845.59 ; 1115,305 1113.55,306.45 C11.1 995,310.86 994.41,311.45 990.24,311.45 790,511.69 D1.2 791,521.55 791,680 R5.1 792,701 932.45,841.45 994.41,841.45 995,842.04 C9.1@995,845.59 ; JP4.10 JP4.12 1250,1055 1115,920 1115,845 995.59,845 C9.1@995,845.59
"Vol ADC": 1.13 C17.2 R13.2 R14.1 | length 3805.7
  Top Layer w15: C17.2 115.75,1205.75 239.25,1205.75 R14.1 ; R13.2@425,1200 420,1205 R14.1 ; 1.13 2260.53,3059.47 2260.53,2994.03 2101.77,2835.26 1649.3,2835.26 1474.04,2660 761.51,2660 709.48,2607.97 627.97,2607.97 343.8,2323.8 343.8,1308.8 R14.1
pads on no net: 1.22 1.23 1.24 1.25 1.26 1.27 1.29 1.30 1.31 1.41 1.42 1.43 1.44 1.45 1.46 1.47 1.48 1.49 1.50 1.51 1.52 1.53 1.55 1.56 1.64 1.65 1.66 1.69 1.70 1.71 1.72 1.73 1.74 1.75 1.76 1.77 1.78 1.79 1.80 1.81 1.82 1.83 1.84 1.86 1.90 1.91 1.92 1.93 1.94 1.95 1.96 1.97 1.98 1.107 1.108 1.109 1.110 1.111 1.112 1.113 1.114 1.115 1.116 1.117 1.118 1.119 1.120 1.121 1.122 JP1.3 JP1.4 JP1.5 JP1.6 JP2.3 JP2.4 JP2.5 JP2.6 P1.1 P1.2 P1.3 P1.4 S1.3 t1.1 t2.1 t3.1 t4.1 TPS1.8 TPS2.8 TPS3.8

## Polygon pours and split planes (outlines as drawn)
GND on Top Layer "GND_L01_P002" (solid, remove dead copper, pour order 2): 5,5 0,10 0,3925 3185,3925 3265,3845 3205,3785 3205,0 0,0
GND on Bottom Layer "GND_L02_P003" (solid, remove dead copper, pour order 3): 0,3915 10,3925 3185,3925 3185,0 0,0 0,3910 10,3920

## Other copper
Top Layer:
  pour cut-out: 485,395 485,160 1135,160 1135,445 1130,440 920,440 910,450 800,450 770,480 770,485 745,510 740,505 595,505 590,500 570,500 570,495 560,495 550,485 535,485 510,460 510,435 490,415 490,400
  text "平头哥" at 914.38,372.1 h80
  text "沈阳化工大学" at 700.07,281.88 h80
  text "2021.5.23" at 623.51,190 h60

## Silkscreen, mask and mechanical layers (free items; w line width, h text height)
Top Overlay:
  lines w10: 2775,510 2775,1105 2875,1105 ; 2775,700 2875,700 2975,700 ; 2775,910 2875,910 2970,910 ; 2780,505 2875,505 ; 2975,505 2975,1105 ; 3075,505 3140,505 3140,1105 3075,1105
  text "AD4" at 285,3530.17 h60
  text "3V3" at 520,3530 h60
  text "AD1" at 715.81,3530 h60
  text "AD8" at 1015,3520.83 h60
  text "AD5" at 1445.81,3520.67 h60
  text "AD16" at 2500,3520.83 h60
  text "AD13" at 2930.81,3520.67 h60
  text "3V3" at 1250,3520 h60
  text "3V3" at 2735,3520 h60
  text "AD9" at 2175.81,3515.67 h60
  text "AD12" at 1745,3515.17 h60
  text "3V3" at 1980,3515 h60
  text "GND" at 150,3464.5 h60
  text "AD3" at 380,3465 h60
  text "AD2" at 595,3465 h60
  text "AD6" at 1325,3455.67 h60
  text "GND" at 880,3454.5 h60
  text "AD37" at 1110,3455 h60
  text "GND" at 2365,3454.5 h60
  text "AD15" at 2595,3455 h60
  text "AD14" at 2810,3455 h60
  text "AD10" at 2055,3450.67 h60
  text "GND" at 1610,3449.5 h60
  text "AD11" at 1840,3449.33 h60
  text "0.7" at 3070,2745 h60
  text "SDA" at 500,2730 h60
  text "0.6" at 3070,2645 h60
  text "SCL" at 500,2635 h60
  text "0.5" at 3070,2545 h60
  text "GND" at 500,2535 h60
  text "0.4" at 3070,2440 h60
  text "3V3" at 500,2435 h60
  text "P3" at 3070,2340 h60
  text "0.2" at 3070,2240 h60
  text "0.1" at 3070,2140 h60
  text "GND" at 525,2060 h60
  text "0.0" at 3070,2035 h60
  text "3V3" at 525,1960 h60
  text "SCL" at 525,1855 h60
  text "SDA" at 525,1750 h60
  text "RST" at 525,1655 h60
  text "DC" at 525,1560 h60
  text "GND" at 3109.07,1490 h60 r90
  text "CS" at 525,1460 h60
  text "5V" at 3070,1420 h60
  text "BLK" at 525,1355 h60
  text "TXD" at 1575,1325.17 h30
  text "3V3" at 1030,1324.33 h30
  text "RXD" at 1030,1215.67 h30
  text "GND" at 1575,1214.33 h30
  text "PWMS" at 2480,1155 h30
  text "PWM2" at 2615,1155 h30
  text "UART2" at 995,1110 h60
  text "UART1" at 1820,1110 h60
  text "5V" at 2790,790 h60
  text "GND" at 3130,750 h60 r90
  text "3V3" at 2780,595 h60
  text "VCC" at 225.06,560 h60
  text "VCC" at 430,470 h60
  text "GND" at 429.94,210 h60
  text "GND" at 225,50 h60
Bottom Overlay:
  text "TPS7350" at 1305,390.92 h60
Mechanical 1:
  the board outline again, w10

## Text inside footprints (layer, text, board x,y; h text height)
JP2: Top Overlay "TXD" at 2410,1315 h30; Top Overlay "RX" at 1880,1210 h30; Top Overlay "3V3" at 1855,1310 h30; Top Overlay "GND" at 2415,1195 h30
SW1: Top Overlay "ON" at 2260,330 h30